# Altium PCB Main PCB.PcbDoc (part 2 of 3)
Units mil, origin at the board's own origin, x right, y up, seen from the top; angles counter-clockwise.
Board outline 3410.47 x 1250.53 mil, 4 copper layers (Top Layer, Ground, Power, Bottom Layer), stack 29.8 mil thick; 179 components, 158 nets, 771 pads, 445 vias.
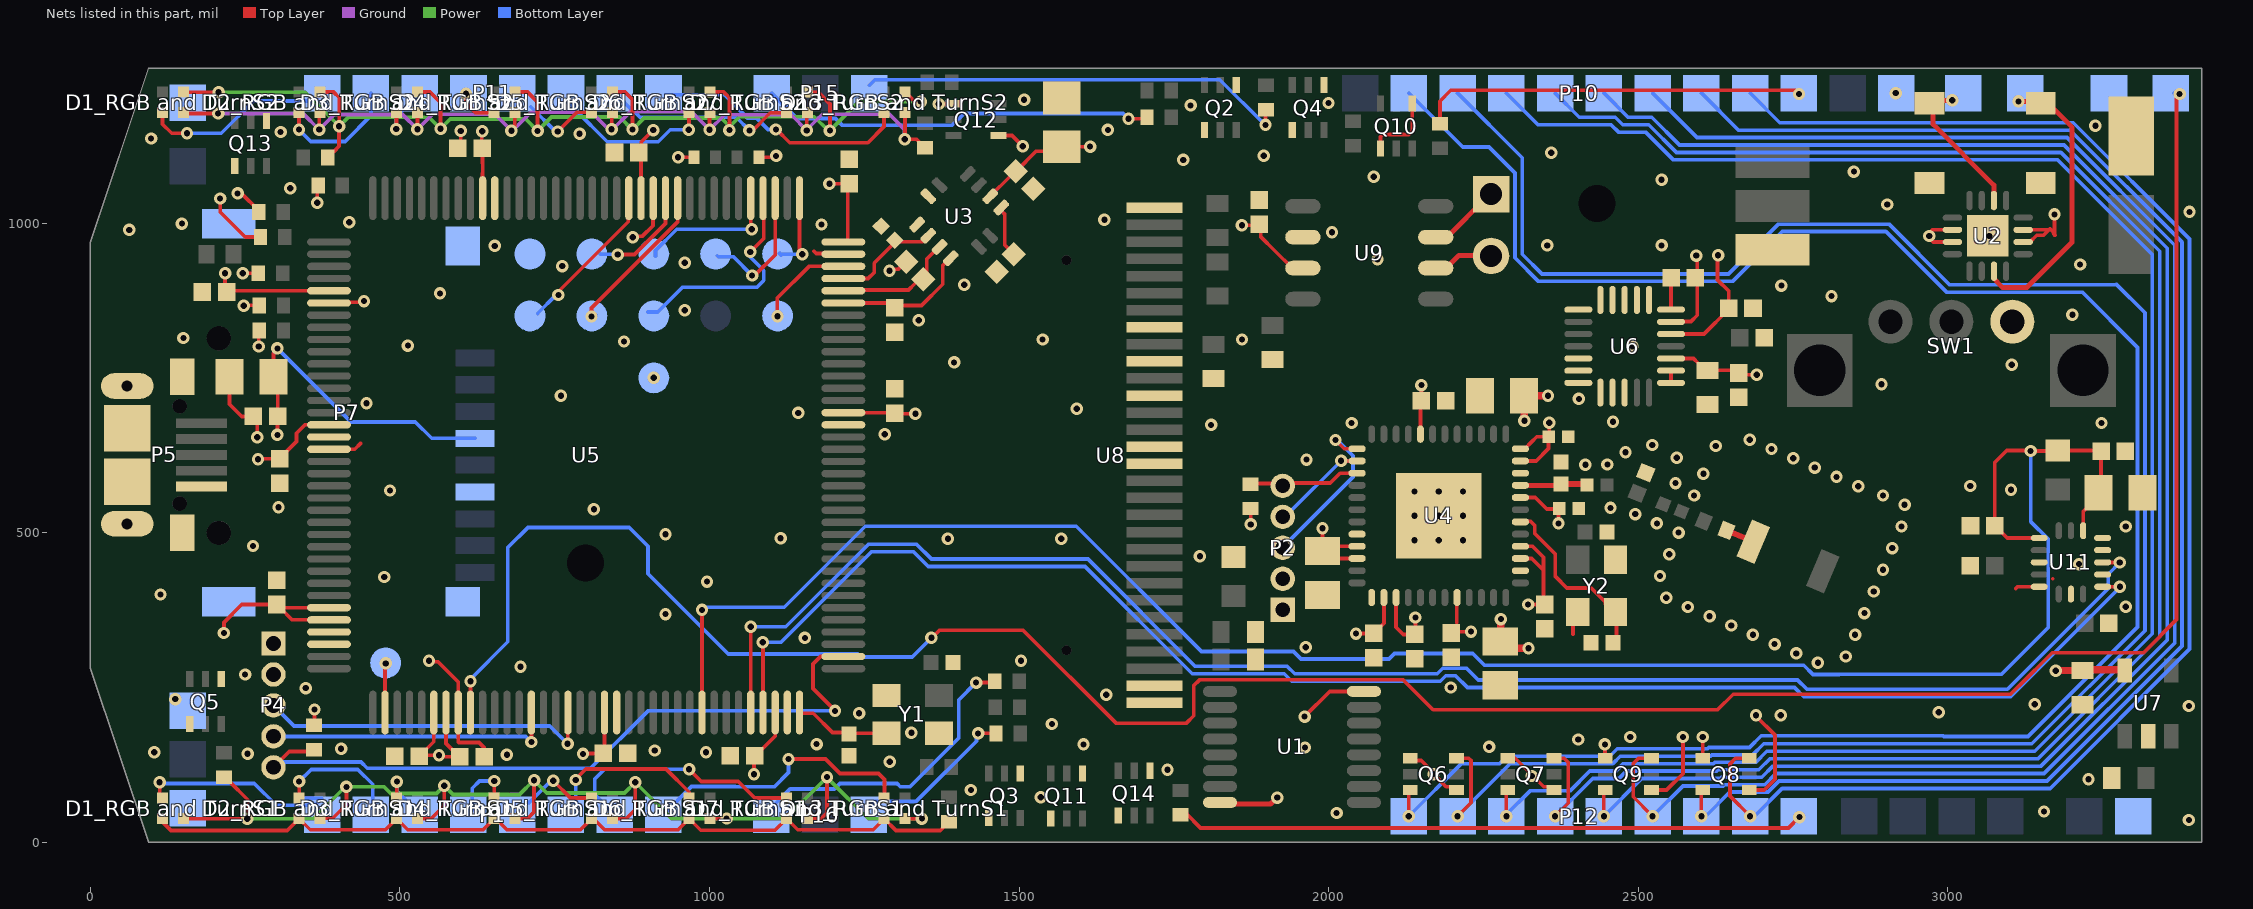
[diagram p4: the nets of this part, all layers, seen from the top]

## Part data
ANT1: "RF ANT 2.4GHZ CHIP SOLDER SMD"
C1: library part CMP-1036-04892-1, "CAP 4.7uF 16V ±20% 0805 (2012 Metric) Thickness 1.55mm SMD", Case-EIA=0805, Case-Metric=2012, Rated Voltage="16 V", Tolerance=±20%, Max Thickness="1.55 mm", Technology=SMT
C2 C6 C13 C14 C15 C16 C17 C20 C21 C22 C23 C24 C25 C26 C27 C28 C30 C32 C33 C34 C35 C36 C42 C47 C48 C50 C51 C52: library part CMP-1034-02062-1, "CAP 100nF 6.3V ±20% 0402 (1005 Metric) Thickness 0.6mm SMD", Case-EIA=0402, Case-Metric=1005, Rated Voltage="6.3 V", Tolerance=±20%, Max Thickness="0.6 mm", Technology=SMT
C3 C4: library part CMP-1034-01767-1, "CAP 3.3nF 6.3V ±20% 0402 (1005 Metric) Thickness 0.6mm SMD", Case-EIA=0402, Case-Metric=1005, Rated Voltage="6.3 V", Tolerance=±20%, Max Thickness="0.6 mm", Technology=SMT
C5: library part CMP-1034-01854-1, "CAP 8.2nF 6.3V ±20% 0402 (1005 Metric) Thickness 0.6mm SMD", Case-EIA=0402, Case-Metric=1005, Rated Voltage="6.3 V", Tolerance=±20%, Max Thickness="0.6 mm", Technology=SMT
C7 C8: library part CMP-1034-00043-1, "CAP 0.8pF 50V ±0.1pF 0402 (1005 Metric) Thickness 0.6mm SMD", Case-EIA=0402, Case-Metric=1005, Rated Voltage="50 V", Tolerance=±0.1pF, Max Thickness="0.6 mm", Technology=SMT
C10: library part CMP-1034-00722-1, "CAP 10pF 50V ±2% 0402 (1005 Metric) Thickness 0.6mm SMD", Case-EIA=0402, Case-Metric=1005, Rated Voltage="50 V", Tolerance=±2%, Max Thickness="0.6 mm", Technology=SMT
C11 C18 C19 C54: library part CMP-1034-01004-1, "CAP 33pF 50V ±5% 0402 (1005 Metric) Thickness 0.6mm SMD", Case-EIA=0402, Case-Metric=1005, Rated Voltage="50 V", Tolerance=±5%, Max Thickness="0.6 mm", Technology=SMT
C12 C49 C53 C55: library part CMP-1036-04924-1, "CAP 10uF 10V ±20% 0805 (2012 Metric) Thickness 1.45mm SMD", Case-EIA=0805, Case-Metric=2012, Rated Voltage="10 V", Tolerance=±20%, Max Thickness="1.45 mm", Technology=SMT
C29 C37 C38: library part CMP-1035-02738-1, "CAP 1uF 16V ±20% 0603 (1608 Metric) Thickness 1mm SMD", Case-EIA=0603, Case-Metric=1608, Rated Voltage="16 V", Tolerance=±20%, Max Thickness="1 mm", Technology=SMT
C31: library part CMP-1036-04925-1, "CAP 10uF 10V ±20% 0805 (2012 Metric) Thickness 1mm SMD", Case-EIA=0805, Case-Metric=2012, Rated Voltage="10 V", Tolerance=±20%, Max Thickness="1 mm", Technology=SMT
C39 C40 C44 C45: library part CMP-1035-02731-1, "CAP 1uF 6.3V ±20% 0603 (1608 Metric) Thickness 1mm SMD", Case-EIA=0603, Case-Metric=1608, Rated Voltage="6.3 V", Tolerance=±20%, Max Thickness="1 mm", Technology=SMT
C41 C43: library part CMP-1035-02764-1, "CAP 2.2uF 16V ±20% 0603 (1608 Metric) Thickness 0.55mm SMD", Case-EIA=0603, Case-Metric=1608, Rated Voltage="16 V", Tolerance=±20%, Max Thickness="0.55 mm", Technology=SMT
C46: "100uF Electrolytic"
C56 C57: library part CMP-1034-00769-1, "CAP 12pF 50V ±5% 0402 (1005 Metric) Thickness 0.33mm SMD", Case-EIA=0402, Case-Metric=1005, Rated Voltage="50 V", Tolerance=±5%, Max Thickness="0.33 mm", Technology=SMT
D8: library part CMP-2000-07084-1, "SCHOTTKY 60V SOD-123FL", Forward Current If(AV)=1A, Forward Surge Current Ifsm Max=30A, Forward Voltage VF Max=1.1V, Manufacturer="Micro Commercial Components", Package Description="2-Pin Small Outline Diode, Flat Lead, Body 2.825 x 1.65 mm", Package Reference=SOD-123FL, Repetitive Reverse Voltage Vrrm Max=1kV, Datasheet URL=http://www.mccsemi.com/up_pdf/SM4001PL-SM4007PL(SOD-123FL).PDF, Datasheet Version="Rev. H, 05/2015", Diode Configuration=Single, Diode Type=StandardRecovery, Manufacturer URL=http://www.mccsemi.com/, Mounting Technology=SurfaceMount
D9: library part CMP-2000-07084-1, "SCHOTTKY 60V SOD-123FL Reel", Forward Current If(AV)=1A, Forward Surge Current Ifsm Max=30A, Forward Voltage VF Max=1.1V, Manufacturer="Micro Commercial Components", Package Description="2-Pin Small Outline Diode, Flat Lead, Body 2.825 x 1.65 mm", Package Reference=SOD-123FL, Repetitive Reverse Voltage Vrrm Max=1kV, Datasheet URL=http://www.mccsemi.com/up_pdf/SM4001PL-SM4007PL(SOD-123FL).PDF, Datasheet Version="Rev. H, 05/2015", Diode Configuration=Single, Diode Type=StandardRecovery, Manufacturer URL=http://www.mccsemi.com/, Mounting Technology=SurfaceMount
L1: library part CMP-2000-06592-1, "Chip Inductor, 4.7 nH, +/- 0.1 nH, 160 mA, -40 to 85 degC, 0402 (1005 Metric), RoHS, Tape and Reel", Inductance=4.7nH, Manufacturer=Murata, Maximum DC Current=160mA, Maximum DC Resistance=600mOhm, Package/Case=0402, Package Description="2-Pin Surface Mount Device, Body 1 x 0.5 mm", Tolerance=0.1nH, Datasheet URL=http://search.murata.co.jp/Ceramy/image/img/PDF/ENG/L0075S0084LQP15M.pdf, Datasheet Version=09/2010, Manufacturer URL=http://www.murata.com/, Minimum Quality Factor=13@500MHz, Mounting Technology=SurfaceMount, Package Reference=0402, Packaging=Tape&Reel, Product Depth=0.6mm, Product Height=0.45mm, Rad Hard=No, Type=RFChip
P2 P4: "Header, 5-Pin", LatestRevisionDate=17-Jul-2002, LatestRevisionNote="Re-released for DXP Platform.", Publisher="Altium Limited"
P3: "Header, 2-Pin", LatestRevisionDate=17-Jul-2002, LatestRevisionNote="Re-released for DXP Platform.", Publisher="Altium Limited"
P5: library part "SXYZ MicroUSB", "Micro USB Connector"
P6 P8 P9 P13 P14 P17 P18 P19 P20 P21 P22 P23 P24 P25 P26 P27 P28 P29 P30 P31 P32 P33: library part "1p SMD"
P7: "MicroSD Card Slot"
P15 P16: library part "3p SMD"
Q2 Q3 Q4 Q5 Q10 Q11 Q12 Q13 Q14: library part CMP-0630-00303-1, "Dual NPN Bias Resistor Transistors, R1=2.2 kOhm, R2=47 kOhm, NPN Transistors, 6-Pin SOT-363, Pb-Free, Tape and Reel", Manufacturer="On Semiconductor", ComponentLink1Description="Manufacturer URL", ComponentLink1URL=http://www.onsemi.com/, ComponentLink2Description=Datasheet, ComponentLink2URL=http://www.onsemi.cn/pub_link/Collateral/DTC123JD-D.PDF, ComponentLink3Description="Package Specification", ComponentLink3URL=http://www.onsemi.cn/pub_link/Collateral/419B-02.PDF, DatasheetVersion="Rev. 0", hFE Min=80, IC Continuous (A)=0.1, Mounting Technology="Surface Mount", PackageDescription="6-Pin Small Outline Transistor, Body 2 x 1.25 mm, Pitch 0.65 mm", PackageReference=SOT-363-6-419B-02, PackageVersion="Rev. Y, 12/2012", Packing="Tape and Reel", PartId=1, PartNumber=MUN5235DW1T1G, Polarity="Dual NPN", R1/R2 Typ=0.047, RoHS=TRUE, V(BR)CEO Min (V)=50
Q6 Q7 Q8 Q9: library part CMP-2000-05971-1, "Dual P-Channel Enhancement Mode MOSFET, 50 VDS, -55 to 150 degC, 6-Pin SOT363, RoHS, Tape and Reel", Id - Continuous Drain Current=-130mA, Manufacturer=DiodesIncorporated, Maximum Operating Temperature=+150C, Minimum Operating Temperature=-55C, Package / Case=SOT-363-6, Package Description="6-Pin Small Outline Transistor, Body 1.25 x 2 mm, Pitch 0.65 mm", Package Reference=SOT363-6, Pd - Power Dissipation=300mW, Rds On - Drain-Source Resistance=6Ohms, Vds - Drain-Source Breakdown Voltage=-50V, Vgs - Gate-Source Voltage=20V, Brand=DiodesIncorporated, Channel Mode=Enhancement, Configuration=Dual, Datasheet URL=http://www.diodes.com/_files/datasheets/ds30204.pdf, Datasheet Version="Rev. 18-2, 01/2014", Factory Pack Quantity=3000, Forward Transconductance - Min=0.05S, Height=1mm, Length=2.2mm, Manufacturer URL=http://www.diodes.com/, Mounting Style=SMD/SMT, Mounting Technology=SurfaceMount, Number of Channels=2Channel, Packaging=Reel, PartId=1, Product=MOSFETSmallSignal, Product Category=MOSFET, RoHS=True, Series=BSS84, Technology=Si, Transistor Polarity=P-Channel, Transistor Type=2P-Channel, Type=EnhancementModeFieldEffectTransistor, Typical Turn-Off Delay Time=18ns, Typical Turn-On Delay Time=10ns, Unit Weight=0.000212oz, Width=1.35mm
R1 R2 R7 R8 R9 R10 R11 R12: library part CMP-1011-00098-1, "10K 0.063W 5% 0402 (1005 Metric)  SMD", Case-EIA=0402, Case-Metric=1005, Power="0.063 W", Tolerance="5 %", Technology=SMT
R3: library part CMP-1012-00122-1, "100K 0.1W 5% 0603 (1608 Metric)  SMD", Case-EIA=0603, Case-Metric=1608, Power="0.1 W", Tolerance="5 %", Technology=SMT
R4: library part CMP-1011-00001-1, "Jumper 0402 (1005 Metric)", Case-EIA=0402, Case-Metric=1005, Power=None, Technology=SMT, Tolerance=None
R13: library part CMP-1011-00034-1, "22R 0.063W 5% 0402 (1005 Metric)  SMD", Case-EIA=0402, Case-Metric=1005, Power="0.063 W", Tolerance="5 %", Technology=SMT
R14: library part CMP-1012-00136-1, "390K 0.1W 5% 0603 (1608 Metric)  SMD", Case-EIA=0603, Case-Metric=1608, Power="0.1 W", Tolerance="5 %", Technology=SMT
R16 R20 R21 R23 R24 R27 R28 R30 R31 R33: library part CMP-1011-00299-1, "14R 0.063W 1% 0402 (1005 Metric)  SMD", Case-EIA=0402, Case-Metric=1005, Power="0.063 W", Tolerance="1 %", Technology=SMT
R17 R19: library part CMP-1011-00090-1, "4K7 0.063W 5% 0402 (1005 Metric)  SMD", Case-EIA=0402, Case-Metric=1005, Power="0.063 W", Tolerance="5 %", Technology=SMT
R18 R22 R25 R29 R32: library part CMP-1011-00426-1, "187R 0.063W 1% 0402 (1005 Metric)  SMD", Case-EIA=0402, Case-Metric=1005, Power="0.063 W", Tolerance="1 %", Technology=SMT
TP1 TP2 TP3 TP4 TP5 TP6 TP7 TP8 TP9 TP10 TP11 TP12: library part TP
U1: "IC SHIFT REGISTER 8BIT 16TSSOP"
U2: "0.4 A Dual H-Bridge Motor Driver"
U3: "Xtrinsic FXLN83xxQ 3-Axis Low-Power Analog-Output Accelerometer"
U4: library part MKW36Z512, "KINETIS W 32-BIT MCU ARM CORTEX- Bluetooth"
U5: library part CMP-0182-00046-1, "Cortex-M4-based Microcontroller with FPU, 1 MB, 120 MHz, 1.71 to 3.6 V, -40 to 105 degC, 144-Pin QFP (918-03), RoHS, Tray", Manufacturer="Freescale Semiconductor", Temperature Range="-40 to 105 degC", ComponentLink1Description="Manufacturer URL", ComponentLink1URL=http://www.freescale.com/, ComponentLink2Description=Datasheet, ComponentLink2URL=http://cache.freescale.com/files/microcontrollers/doc/data_sheet/K64P144M120SF5.pdf?pspll=1, ComponentLink3Description="Package Specification", ComponentLink3URL=http://cache.freescale.com/files/shared/doc/package_info/98ASS23177W.pdf, DatasheetVersion="Rev. 3", Flash="1 MB", Mounting Technology="Surface Mount", PackageDescription="144-Pin Plastic Quad Flat Package, Body 20 x 20 mm, Pitch 0.5 mm", PackageVersion="Rev. G", Packing=Tray, PartId=1, PartNumber=MK64FN1M0VLQ12, RoHS=TRUE, SRAM="256 KB", VBAT="1.71 to 3.6 V", VDD="1.71 to 3.6 V", VDDA="1.71 to 3.6 V"
U6: "3-Axis Digital Angular Rate / Gyroscope"
U7: "Linear Voltage Regulator IC 1 Output 600mA SOT-25"
U8: "0.96\" Blue/Yellow OLED 128x64 SSD1306"
U9: "CAN-FD XVR 5v"
U11: "6-axis sensor with integrated linear accelerometer and magnetometer"
Y1 Y2: library part 403C11E16M00000, "CRYSTAL 12.0000MHZ 20PF SMD 3.20x2.50", LatestRevisionDate=17-Jul-2002, LatestRevisionNote="Re-released for DXP Platform.", PackageDescription="Crystal, Thru-Hole; 2 Leads; Body 3.1 x 8.2 mm (Dia.xH)", PackageReference=R38, Published=8-Jun-2000, Publisher="Altium Limited"
? ? ?: library part "Fiducial - Cross"

## Free pads (board coordinates)
  round 0 hole 60 slot 210 at 90 deg: 8(2433.4,1031.78)
  rect 59.06x59.06 smd far side: 9(3260,1209.8)
  round 0 hole 60 slot 120 at 0 deg: 10(800,450.9)

## Via types
v1: diameter 20, hole 10, Top Layer to Bottom Layer, tented both sides, 442 vias
v2: diameter 20, hole 10, Top Layer to Bottom Layer, 3 vias

## Nets (pads, with @x,y where several pads share a name; then routed paths per layer and width w, separated by ;. In a path a pad name is that pad's centre, name@x,y a point inside that pad or via, vN(x,y) a via of type N, cw(c..) or ccw(c..) an arc to the next point about the centre after c; other vN are vias at no path point)
3v3: C1.2 C2.2 C12.1 C13.2 C14.2 C15.2 C16.2 C17.2 C20.2 C21.2 C22.2 C23.2 C24.2 C25.2 C26.2 C27.2 C28.2 C29.2 C30.2 C31.2 C32.2 C34.2 C35.2 C36.2 C42.2 C45.2 C47.2 C53.1 C55.1 C56.2 C57.2 P2.1 P4.1 P7.4 P27.1 P33.1 Q6.1 Q6.4 Q7.1 Q7.4 Q8.1 Q8.4 Q9.1 Q9.4 R1.2 R2.2 R7.2 R8.2 R9.2 R10.2 R11.2 R12.2 R17.2 R19.2 TP9.1 U1.16 U3.2 U4.9 U4.10 U4.14 U4.15 U4.20 U4.27 U4.28 U4.32 U4.35 U4.36 U4.44 U5.5 U5.16 U5.31 U5.32 U5.42 U5.43 U5.56 U5.70 U5.94 U5.108 U5.122 U5.135 U6.15 U6.17 U6.18 U7.5 U9.3 | length 5044
  Top Layer w6: v1(209.67,1039.59) 209.86,1039.4 209.86,1017.72 250.17,977.41 R11.2@274.96,977.41 ; v1(215.82,337.86) 215.82,355.02 244.77,383.97 C21.2@301.47,383.97 C21.2@306.64,378.8 ; v1(217.68,918.89) 217.68,893.81 C22.2@221.45,890.04 ; C22.2@220.06,888.64 C22.2@221.45,890.04 ; C22.2@220.3,888.58 C22.2@220.81,888.07 ; v1(237.91,1047.79) 244.21,1047.79 272.29,1019.71 R9.2@272.29,1017.74 ; v1(246.1,918.9) 271.1,918.9 R8.2@271.15,918.95 ; v1(247.89,866.45) 248.5,867.05 R10.2@272.68,867.05 ; v1(270.8,618.45) 271.69,619.34 C23.2@300.96,619.34 ; v1(272.1,800.52) 272.1,826.03 271.43,826.7 271.88,827.15 R7.2@272.68,826.34 ; C31.2@295.84,751.5 295.84,789.78 302.25,796.19 v1(302.25,797.54) ; C31.2@298.51,743.45 302.77,739.2 C30.2@302.77,687.64 302.25,687.11 v1(302.25,657.83) ; C23.2@298.99,617.38 C23.2@300.96,619.34 ; R2.2@361.41,188.72 362.1,189.42 v1(362.1,214.43) ; v1(366.57,1032.79) 366.57,1059.23 R12.2@367.87,1060.53 ; U5.32@385.53,359.12 326.33,359.12 C21.2@306.64,378.8 ; U5.31@385.53,378.8 C21.2@306.64,378.8 ; U5.16@385.53,674.08 346.71,674.08 333.09,660.46 333.09,647.25 305.71,619.87 C23.2@305.71,619.34 C23.2@300.96,619.34 ; U5.5@385.53,890.61 222.03,890.61 C22.2@221.45,890.04 ; C24.2@530.91,138.55 C24.2@532.76,140.4 ; U5.42@554.82,209.51 554.82,162.46 C24.2@532.76,140.4 ; v1(563.12,140.4) C24.2@532.76,140.4 ; v1@565.51,135 568.39,137.87 C25.2@595.66,137.87 ; U5.43@574.51,209.51 574.51,159.63 595.66,138.48 C25.2@595.66,137.87 ; C25.2@596.51,138.1 596.28,137.87 C25.2@595.66,137.87 ; C47.2@632.69,1120.73 632.84,1120.58 632.41,1120.58 632.41,1143.5 637.01,1148.1 v1(632.99,1148.1) ; 633.56,1079.95 633.56,1063.2 U5.135@633.94,1062.82 ; 633.59,1079.97 633.59,1096.41 ; 633.56,1096.44 633.56,1111.27 C47.2@634.74,1112.44 ; v1(795.78,142.76) 797.1,142.76 797.74,143.41 C26.2@828.67,143.41 ; C26.2@830.41,143.8 U5.56@830.41,209.51 ; U5.122@889.47,1040.22 C35.2@889.47,1108.06 ; C35.2@890.36,1112.03 889.55,1112.03 889.55,1130.33 v1(909.3,1150.08) ; v1(949.33,1106.35) 951.98,1106.35 952.13,1106.2 R19.2@974.62,1106.2 ; C27.2@1070.76,138.18 C27.2@1073.13,140.55 ; v1(1071.91,109.77) 1071.91,131.7 C27.2@1078.74,138.54 ; C27.2@1073.13,139.78 1074.37,138.54 1074.37,139.65 1105.92,171.19 1106,171.19 U5.70@1106,209.51 ; R17.2@1079.67,1106.2 1105.28,1106.2 v1(1107.52,1108.44) ; v1(1193.6,1063.28) C36.2@1225.9,1063.28 ; U5.94@1216.24,693.76 1294.05,693.76 C34.2@1295.04,692.78 ; U5.108@1216.24,969.35 1220.4,969.35 1223.09,972.04 C36.2@1223.09,1061.65 ; C34.2@1298.98,692.71 1302.44,689.23 1305.3,692.09 v1(1332.43,692.09) ; U3.2@1453.19,1043.1 1486.39,1076.3 C2.2@1492.65,1076.3 ; C2.2@1494.83,1083.42 1527.4,1115.99 1561.56,1115.99 C1.2@1568.69,1123.12 1614.27,1123.12 v1(1614.63,1123.47) ; v1(1859.78,996.37) 1877.57,996.37 C42.2@1880.56,999.36 ; R1.2@1873.67,539.03 1874.15,538.55 v1(1874.15,513.25) ; C42.2@1890.22,992.66 1892.96,992.66 1890.02,989.72 1890.02,978.31 1913.72,954.61 1941.05,927.28 U9.3@1958.22,927.28 ; C55.1@1990,470.43 v1(1990,507) ; C55.1@2005,480 2007.05,477.95 U4.9@2045.76,477.95 ; C55.1@2010,460 2011.74,458.26 U4.10@2045.76,458.26 ; v1(2044,337) 2072.31,337 C13.2@2073,337.69 2073.52,337.16 C13.2@2074.05,337.69 ; C13.2@2075,336 2075,339.69 2089.07,353.76 U4.14@2089.07,395.27 ; U4.15@2108.76,395.27 2108.76,347.19 2120.26,335.69 C15.2@2139,335.69 2139.69,335 2140,335.31 v1(2140,363) ; Q6.1@2131.56,135.57 2135.09,132.04 2149.39,132.04 2169.17,112.25 v1(2169.17,110.04) 2189.56,89.65 2201.1,89.65 Q6.4@2206.37,84.39 ; U4.44@2148.13,659.05 2148.13,715 C16.2@2148.9,715.78 ; C16.2@2149.7,713.15 v1@2149.7,740.7 ; v1(2149.7,738.3) v1@2149.7,740.71 ; C17.2@2197.67,339.83 2229.26,339.83 v1(2229.67,340.24) ; C17.2@2198.26,336.24 C17.2@2198.26,339.83 ; U4.20@2205,391 U4.20@2206.59,389.41 ; 2206.59,354.59 U4.20@2206.59,389.41 ; U4.20@2207.18,388.82 U4.20@2206.59,389.41 ; U4.20@2207.18,395.27 2206.59,394.68 U4.20@2206.59,389.41 ; C12.1@2278,325.53 C12.1@2276.9,324.43 2288.73,312.6 C12.1@2289.53,313.4 ; Q7.1@2289.04,135.57 2301.35,135.57 2328,108.92 v1(2328,107) 2329.92,107 2347.26,89.65 2358.58,89.65 Q7.4@2363.85,84.39 ; U4.27@2309.54,458.26 2327.74,458.26 2346.7,439.3 2346.9,439.3 ; U4.28@2309.54,477.95 2329.05,477.95 2346.9,460.1 2346.9,439.3 ; U4.32@2309.54,556.69 2333.31,556.69 2351.94,538.06 C56.2@2363.17,538.06 ; U4.35@2309.54,615.74 2335.04,615.74 2355,635.7 C57.2@2355,651 ; U4.36@2309.54,635.43 2316.65,635.43 2327.49,646.27 2327.49,646.48 2336.02,655 C57.2@2352,655 ; v1@2315.43,681.57 2315.43,681.37 v1(2316,680.8) ; v1(2321.96,384.02) 2346.21,384.02 2348.8,381.42 C14.2@2348.8,384.02 ; C53.1@2324,722 2326,720 C53.1@2327,721 ; C14.2@2345.9,380.3 C14.2@2345.9,384.02 ; C14.2@2346.9,375.97 2346.9,439.3 ; C14.2@2348.12,381.75 C14.2@2350.32,383.95 ; C57.2@2355.25,655 2356,655.75 v1(2356,677.5) ; v1(2371.12,514.89) 2371.12,534.42 C56.2@2375.58,538.88 ; v1(2446,158) 2446,136.09 Q9.1@2446.52,135.57 ; Q9.4@2521.33,84.39 2545.65,84.39 2572,110.74 v1(2572,170) ; U6.15@2552.73,781.3 2588.9,781.3 C29.2@2596.7,773.5 ; U6.17@2552.73,820.67 2605.84,820.67 C32.2@2645.21,860.04 ; U6.18@2552.73,840.36 2553.46,841.09 2585.14,841.09 2595.03,850.98 2595.03,945.98 v1(2593.58,947.43) ; C29.2@2596.66,773.46 2604.01,766.12 C29.2@2608.14,766.12 ; Q8.1@2604.01,135.57 2603.9,135.67 2604,135.77 v1(2604,170) ; C29.2@2609.56,757.27 C29.2@2609.56,760.56 ; C29.2@2611.97,762.09 C28.2@2661.94,762.09 ; v1(2628.82,948.01) 2627.95,947.15 2627.95,908.15 2645.81,890.29 C32.2@2645.81,862.54 ; C28.2@2661.94,757.85 2664.91,754.88 v1(2691.24,754.88) ; Q8.4@2678.81,84.39 2703.13,84.39 2720.5,101.76 2720.5,173 2690,203.5 v1(2690,205)
  Top Layer w8: U1.16@1824.5,63.17 1825.8,61.87 1906.21,61.87 1908.49,64.15 ; 1907.64,63.1 v1(1916.71,72.17)
  Top Layer w12: C12.1@2278,325.53 v1(2278,360.4) ; C12.1@2289.53,313.4 v1(2322.6,313.4) ; v1@2315.43,681.57 C53.1@2315.43,721 ; C53.1@2327,721 v1(2354,721) ; v1(3174,277) 3174.39,277.39 3217.15,277.39 C45.2@3217.33,277.22 ; C45.2@3217.9,278.6 U7.5@3280.66,278.6
  Bottom Layer w6: v1(302.25,797.54) 421.07,678.72 524.85,678.72 551.31,652.26 P7.4@621.13,652.26
  other v1: 137.09,231.18 910,750
  other v2: 2915.77,1209.87
\K64_RST: P4.5 R2.1 U5.74 | length 1171.5
  Top Layer w6: P4.5@295.84,120.94 321.32,146.42 R2.1@359,146.42 ; v1(1202.69,212.18) 1202.69,212.72 1167,248.42 1167,287.73 1179.34,300.06 U5.74@1216.24,300.06
  Bottom Layer w6: P4.5@295.84,120.94 302.65,120.94 311.39,129.67 437.07,129.67 447.26,119.48 572.74,119.48 ; 572.76,119.49 808,119.49 900.69,212.18 v1(1202.69,212.18)
\KW35_RST: P2.5 R1.1 U4.3 | length 177.8
  Top Layer w6: R1.1@1875.39,578.18 1876.47,579.26 P2.5@1932.74,579.26 ; P2.5@1932.34,580.16 1932.74,580.16 2002.46,580.16 2018.36,596.06 U4.3@2045.76,596.06
Accel_3v3: C48.2 C49.1 C50.2 R3.2 U5.64 U11.1 U11.14 | length 3333
  Top Layer w6: U5.64@987.89,209.51 v1(987.89,375.24) ; U11.1@3147.38,491.34 3095.89,491.34 C48.2@3075.77,511.46 3075.77,613.6 3094.74,632.58 3132.74,632.58 v1(3133.49,631.83) 3176.78,631.83 R3.2@3177.53,632.58 3245.84,632.58 C50.2@3247.25,631.17 3247.25,568.68 C49.1@3243.14,564.57 3243.14,558.66 3218.25,533.77 U11.14@3218.25,503.15
  Bottom Layer w6: v1(987.89,375.24) 992,379.35 1120.8,379.35 1251.61,510.16 1592.4,510.16 1794.53,308.03 1943.09,308.03 1955.13,296 2097.19,296 2106.19,305 2232.52,305 2251.52,286 2767.13,286 2782.13,271 2824.03,271 2824.53,271.5 3086.5,271.5 3161.95,346.95 3161.95,489.73 3133.49,518.19 v1(3133.49,631.83)
BAT_MON: P32.1 U5.45 | length 4199.5
  Top Layer w6: U5.45@613.88,209.51 613.88,259.83 v1(613.95,259.9) ; v1(1358.33,330.29) 1359.28,330.29 1371.48,342.49 1506.28,342.49 1656.39,192.39 1770.14,192.39 1782.18,204.43 1782.18,253.1 1791.33,262.25 2120.32,262.25 2168.57,214 2628,214 2653.19,239.19 3101.19,239.19 3114.27,252.27 ; 3116,254 3114.27,252.27 ; v1(3374,1208.34) 3369,1203.33 3369,359.55 3315.6,306.15 3168.37,306.15 3114.5,252.27 3114.27,252.27
  Bottom Layer w6: v1(613.95,259.9) 613.95,263.42 674.3,323.77 674.3,475.97 706.73,508.4 870.4,508.4 900.69,478.11 900.69,433.6 1030.24,304.05 1239.51,304.05 1244.32,299.24 1327.28,299.24 v1(1358.33,330.29) 1358.33,326.4 v1@1359.89,324.84 ; P32.1@3364.65,1209.8 3372.54,1209.8 v1(3374,1208.34)
BLUE1: P15.1 R16.2 | length 640
  Top Layer w6: v1(1676.56,1168.44) 1704.24,1168.44 R16.2@1706.56,1170.76
  Bottom Layer w6: P15.1@1100.27,1209.81 1141.44,1168.64 1203.53,1168.64 1214.04,1158.13 1392.16,1158.13 1411.07,1177.03 1667.97,1177.03 v1(1676.56,1168.44)
BLUE2: P16.1 R23.2 | length 490.7
  Top Layer w6: v1(1430.53,257.84) 1454.02,257.84 1456.36,255.5 R23.2@1460.75,259.9
  Bottom Layer w6: P16.1@1105.52,50.39 1105.52,61.52 1130.17,86.17 1201.66,86.17 1210.57,95.07 1302.71,95.07 1307.98,89.8 1323.72,89.8 1402.71,168.8 1402.71,230.02 v1(1430.53,257.84)
BLUE3: "D1_RGB and TurnS2.4" "D2_RGB and TurnS2.4" "D3_RGB and TurnS2.4" "D4_RGB and TurnS2.4" "D5_RGB and TurnS2.4" "D6_RGB and TurnS2.4" "D7_RGB and TurnS2.4" "D13_RGB and TurnS2.4" R28.2 | length 1590.6
  Top Layer w6: 150.26,1178.14 152.06,1176.34 152.62,1176.89 v1(206.47,1176.89) ; v1(369.63,1150.82) 369.63,1177.04 370.74,1178.14 ; 528.22,1178.14 528.3,1178.06 v1(528.3,1151.32) ; v1(680.11,1148.92) 685.7,1154.51 685.7,1178.14 ; v1(841.96,1151.31) 841.96,1174.13 842.3,1174.47 844.69,1172.08 846.97,1174.35 843.18,1178.14 ; v1(1000.13,1150.6) 1000.13,1177.61 1000.66,1178.14 ; v1(1157.19,1149.64) 1157.19,1177.2 1158.14,1178.14 ; 1315.62,1178.14 1315.62,1154.19 1315.62,1135.46 1334.24,1135.46 R28.2@1348.21,1121.49
  Ground w6: v1(206.47,1176.89) 343.56,1176.89 v1(369.63,1150.82) 369.63,1150.99 394.03,1175.39 504.22,1175.39 v1(528.3,1151.32) 552.58,1175.6 653.43,1175.6 v1(680.11,1148.92) 681.59,1148.92 691.44,1158.78 691.44,1158.88 711.26,1178.7 809.81,1178.7 841.82,1146.68 841.96,1146.83 v1@841.96,1150.25 ; v1(841.96,1151.31) v1@841.96,1150.25 ; v1@1314.72,1134.72 1314.96,1134.96 1314.96,1151.2 1290.6,1175.56 1182.02,1175.56 1157.19,1150.73 v1(1157.19,1149.64) 1131.86,1174.97 1024.51,1174.97 v1(1000.13,1150.6) 970.68,1180.05 872.43,1180.05 842.3,1149.92 v1@841.96,1150.25
  other v1: 1315.23,1135.22
BLUE4: "D1_RGB and TurnS1.4" "D2_RGB and TurnS1.4" "D3_RGB and TurnS1.4" "D4_RGB and TurnS1.4" "D5_RGB and TurnS1.4" "D6_RGB and TurnS1.4" "D7_RGB and TurnS1.4" "D13_RGB and TurnS1.4" R31.2 | length 1378
  Top Layer w6: 116.8,32.63 130.33,19.11 318.23,19.11 337.27,38.14 355.13,20.29 476.89,20.29 494.75,38.14 512.61,20.29 634.38,20.29 652.23,38.14 655.25,38.14 673.11,20.29 791.86,20.29 809.71,38.14 812.73,38.14 830.59,20.29 949.34,20.29 967.19,38.14 985.96,19.38 1105.91,19.38 1124.67,38.14 1142.53,20.29 1264.3,20.29 1282.15,38.14 1301.16,19.14 1372.61,19.14 R31.2@1380.59,27.11
BLUE5: P29.1 R24.2 | length 1007.2
  Top Layer w6: R24.2@1770.14,46.58 1770.14,45.86 1792.86,23.14 2742.45,23.14 v1(2759.98,40.68)
CAN1_N: P3.2 U9.6 | length 92.6
  Top Layer w8: U9.6@2172.79,927.28 2189.83,927.28 2210.12,947.56 2249.04,947.56 2252.05,950.58 P3.2@2255.7,950.58
CAN1_P: P3.1 U9.7 | length 110.3
  Top Layer w8: U9.7@2172.79,977.28 2190.86,977.28 2254.19,1040.61 P3.1@2254.19,1043.24
Col1: "D1_RGB and TurnS1.1" "D1_RGB and TurnS2.1" P1.1 P10.1 P11.1 P12.1 Q6.3 | length 3950.2
  Top Layer w6: v1(112,97) 112,79.07 118.13,72.94 ; 116.8,1178.14 116.8,1159.7 131.6,1144.89 v1(156.28,1144.89) ; v1(2129.36,42.14) 2129.36,82.18 Q6.3@2131.56,84.39
  Bottom Layer w6: v1(112,97) 117.96,97 118.56,97.6 121.09,95.07 264.92,95.07 300.19,59.8 362.34,59.8 373.6,71.07 347.83,71.07 356.02,62.88 P1.1@356.02,60.56 ; v1(156.28,1144.89) 211.36,1144.89 263.6,1197.13 361.85,1197.13 P11.1@374.53,1209.8 ; v1(2129.36,42.14) 2214.22,127 2275.98,127 2287.98,139 2453.87,139 2465.87,151 2611.87,151 2613.87,153 2679.52,153 2698.52,172 2992.57,172 2993.63,170.94 3129.32,170.94 3306.07,347.68 3306.07,799.18 3216.84,888.41 2997.59,888.41 2899.74,986.25 2732.34,986.25 2651.87,905.78 2338.73,905.78 2300.63,943.88 2300.63,1080.88 2258.69,1122.83 2216.33,1122.83 P10.1@2129.33,1209.8
Col2: "D2_RGB and TurnS1.1" "D2_RGB and TurnS2.1" P1.2 P10.2 P11.2 P12.2 Q6.6 | length 3695.9
  Top Layer w6: v1(337.06,1150.82) 336.95,1150.93 336.95,1177.82 337.27,1178.14 ; 337.27,71.61 v1(337.27,98.23) ; Q6.6@2206.37,135.57 2226.26,135.57 2229.77,132.05 2229.77,63.82 v1(2208.1,42.14)
  Bottom Layer w6: v1(337.06,1150.82) 356.06,1131.82 411.62,1131.82 453.27,1173.46 P11.2@453.27,1209.8 ; v1(337.27,98.23) 356.71,117.67 432.1,117.67 456.18,93.59 456.18,56.95 P1.2@452.7,53.47 ; v1(2208.1,42.14) 2292.96,127 2458.84,127 2470.84,139 2616.84,139 2618.84,141 2684.49,141 2702.43,158.94 3135.29,158.94 3318.07,341.71 3318.07,855.18 3272.32,900.92 ; P10.2@2208.07,1209.8 2312.63,1105.27 2312.63,949.68 2344.53,917.78 2645.78,917.78 2726.25,998.25 2904.71,998.25 3002.56,900.41 3271.81,900.41
Col3: "D3_RGB and TurnS1.1" "D3_RGB and TurnS2.1" P1.3 P10.3 P11.3 P12.3 Q7.3 | length 3144.6
  Top Layer w6: v1(494.23,1151.61) 494.49,1151.87 494.49,1177.88 494.75,1178.14 ; 494.75,71.61 494.95,71.81 494.95,97.8 v1(495.15,98) ; v1(2286.84,42.14) 2286.84,82.18 Q7.3@2289.04,84.39
  Bottom Layer w6: v1(494.23,1151.61) 494.23,1172.03 P11.3@532.01,1209.8 ; v1(495.15,98) 495.15,82.27 P1.3@514.97,62.45 ; v1(2286.84,42.14) 2286.84,44.84 2325,83 2389.47,83 2421.47,115 2463.81,115 2475.81,127 2621.81,127 2623.81,129 2689.46,129 2707.4,146.94 3140.26,146.94 3330.07,336.74 3330.07,949.3 3177.36,1102 2556.57,1102 2511.74,1146.83 2467.87,1146.83 2455.87,1158.83 2337.79,1158.83 P10.3@2286.84,1209.78
Col4: "D4_RGB and TurnS1.1" "D4_RGB and TurnS2.1" P1.4 P10.4 P11.4 P12.4 Q7.6 | length 3094.2
  Top Layer w6: v1(606.78,1208.7) 606.78,1193.63 622.27,1178.14 652.23,1178.14 652.23,1176.61 ; 652.24,71.61 v1(652.24,98.94) ; Q7.6@2363.85,135.57 2379.85,135.57 2386.61,128.81 2386.61,63.17 v1(2365.58,42.14)
  Bottom Layer w6: P1.4@616.88,51.39 616.88,87.36 628.46,98.94 v1(652.24,98.94) ; v1(2365.58,42.14) 2426.44,103 2468.78,103 2480.78,115 2626.78,115 2628.78,117 2694.43,117 2712.37,134.94 3145.23,134.94 3342.07,331.77 3342.07,954.27 3182.33,1114 2561.54,1114 2516.71,1158.83 2474.7,1158.83 2462.7,1170.83 2404.53,1170.83 P10.4@2365.58,1209.78
Col5: "D5_RGB and TurnS1.1" "D5_RGB and TurnS2.1" P1.5 P10.5 P11.5 P12.5 Q9.3 | length 2973.8
  Top Layer w6: v1(747.6,99.46) 775.45,71.61 809.71,71.61 ; v1(754.9,1147.78) 786.1,1178.98 808.87,1178.98 809.71,1178.14 ; v1(2444.32,42.14) 2444.32,82.18 Q9.3@2446.52,84.39
  Bottom Layer w6: P1.5@707.03,64.3 709.07,64.3 744.24,99.46 v1(747.6,99.46) ; P11.5@711.4,1187.89 751.51,1147.78 v1(754.9,1147.78) ; v1(2444.32,42.14) 2505.18,103 2631.75,103 2633.75,105 2699.4,105 2717.34,122.94 3150.2,122.94 3354.07,326.8 3354.07,959.24 3187.3,1126 2566.51,1126 2521.68,1170.83 2483.27,1170.83 P10.5@2444.32,1209.78
Col6: "D6_RGB and TurnS1.1" "D6_RGB and TurnS2.1" P1.6 P10.6 P11.6 P12.6 Q9.6 | length 3204.1
  Top Layer w6: v1@781.63,99.73 800.19,118.28 929.72,118.28 967.19,80.81 967.19,71.61 ; v1(966.62,1150.65) 966.91,1150.93 966.91,1177.86 967.19,1178.14 ; Q9.6@2521.33,135.57 2500.2,135.57 2491.87,127.24 2491.87,73.32 v1(2523.06,42.14)
  Bottom Layer w6: P11.6@777.47,1191.03 783.86,1191.03 775.32,1182.49 783.48,1182.49 834.89,1131.08 917.17,1131.08 936.74,1150.65 v1(966.62,1150.65) ; P1.6@779.95,59.85 783.92,63.82 v1(783.92,100.49) ; v1(2523.06,42.14) 2571.92,91 2636.72,91 2638.72,93 2704.37,93 2722.31,110.94 3155.17,110.94 3366.07,321.83 3366.07,964.21 3192.27,1138 2594.83,1138 P10.6@2523.06,1209.78
Col7: "D7_RGB and TurnS1.1" "D7_RGB and TurnS2.1" P1.7 P10.7 P11.7 P12.7 Q8.3 | length 3163.2
  Top Layer w6: v1(967.04,117.91) 986.72,98.23 1046.41,98.23 1073.04,71.61 1124.67,71.61 1124.79,71.72 ; v1(1064.48,1149.57) 1069.8,1149.57 1098.25,1178.02 1124.79,1178.02 1124.67,1178.14 ; v1(2601.8,42.14) 2601.8,82.18 Q8.3@2604.01,84.39
  Bottom Layer w6: P1.7@846.8,44.54 814.9,76.44 814.9,102.44 830.36,117.91 v1(967.04,117.91) ; P11.7@862.12,1196.41 862.12,1194.65 873.49,1183.28 875.26,1183.28 887.78,1170.75 1043.3,1170.75 v1(1064.48,1149.57) ; v1(2601.8,42.14) 2608.75,42.14 2647.61,81 2709.34,81 2727.19,98.84 3160.04,98.84 3378.07,316.86 3378.07,969.18 3197.24,1150 2661.57,1150 P10.7@2601.77,1209.8
Col8: "D13_RGB and TurnS1.1" "D13_RGB and TurnS2.1" P1.8 P10.8 P11.8 P12.8 Q8.6 | length 3291.7
  Top Layer w6: v1(1107.22,1151.11) 1108.1,1151.11 1129.44,1129.77 1255.75,1129.77 1281.94,1155.96 1281.94,1177.92 1282.15,1178.14 ; v1(1127.58,134.32) 1187.41,134.32 1210.6,111.13 1273.09,111.13 1282.72,101.5 1282.72,72.17 1282.15,71.61 ; Q8.6@2678.81,135.57 2656.9,135.57 2647.87,126.54 2647.87,74.8 v1(2680.54,42.14)
  Bottom Layer w6: P1.8@925.54,44.54 971,90 1041.63,90 1041.84,89.79 1104.79,89.79 1127.58,112.58 v1(1127.58,134.32) ; P11.8@929.61,1207.06 1023.97,1207.06 1061.35,1169.67 1075.71,1169.67 1094.27,1151.11 v1(1107.22,1151.11) ; v1(2680.54,42.14) 2687.46,42.14 2732.16,86.84 3165.01,86.84 3390.07,311.89 3390.07,974.15 3202.21,1162 2728.31,1162 P10.8@2680.54,1209.78
DAC0: TP12.1 U5.38 | length 79.8
  Top Layer w6: U5.38@476.08,209.51 476.08,287.81 v2(477.12,288.84)
EXTAL: C54.1 U4.30 Y2.1 | length 259.8
  Top Layer w6: U4.30@2315.47,518.23 2325.92,518.23 2332.52,511.63 2332.52,498.48 2366,465 2366,429 2384.47,410.53 2423.87,410.53 2446.8,387.61 Y2.1@2446.8,384.21 ; C54.1@2464.78,325.2 Y2.1@2464.78,367.36
EXTAL0: C18.1 U5.72 Y1.3 | length 156.1
  Top Layer w6: U5.72@1146.17,207.3 1147.27,208.4 1167.67,208.4 1198.67,177.4 C18.1@1222.8,177.4 ; C18.1@1222.28,177.91 C18.1@1222.8,177.4 ; C18.1@1224.67,177.4 C18.1@1222.8,177.4 ; Y1.3@1285.82,176.11 1224.09,176.11 C18.1@1222.8,177.4
GND: C1.1 C2.1 C3.1 C4.1 C5.1 C6.1 C7.1 C8.1 C11.2 C12.2 C13.1 C14.1 C15.1 C16.1 C17.1 C18.2 C19.2 C20.1 C21.1 C22.1 C23.1 C24.1 C25.1 C26.1 C27.1 C28.1 C29.1 C30.1 C31.1 C32.1 C33.1 C34.1 C35.1 C36.1 C39.1 C40.1 C41.1 C42.1 C43.1 C44.1 C45.1 C46.2 C47.1 C48.1 C49.2 C50.1 C51.1 C52.1 C53.2 C54.2 C55.2 C56.1 C57.1 D8.1 D9.1 P2.2 P4.2 P5.5 P7.6 P7.10 P7.11 P7.12 P7.13 P22.1 P23.1 P24.1 P31.1 pad.9 Q2.1 Q2.4 Q3.1 Q3.4 Q4.1 Q4.4 Q5.1 Q5.4 Q10.1 Q10.4 Q11.1 Q11.4 Q12.1 Q12.4 Q13.1 Q13.4 Q14.1 Q14.4 R14.1 SW1.3 TP10.1 U1.8 U2.6 U2.7 U2.14 U2.15 U2.17 U3.6 U3.7 U4.8 U4.13 U4.26 U4.34 U4.49 U5.6 U5.17 U5.18 U5.33 U5.34 U5.44 U5.57 U5.71 U5.93 U5.107 U5.121 U5.134 U6.1 U6.5 U6.6 U6.7 U6.8 U6.9 U6.10 U6.13 U6.14 U6.19 U6.20 U6.21 U6.22 U6.23 U6.24 U7.2 U8.1 U8.8 U8.10 U8.12 U8.15 U8.16 U8.29 U8.30 U9.2 U11.3 U11.5 U11.7 U11.10 U11.12 U11.13 Y1.2 Y1.4 Y2.2 Y2.4 | length 1356
  Top Layer w6: C31.1@224.97,751.5 224.97,707.18 244.52,687.64 C30.1@263.4,687.64 269.56,681.48 v1(269.56,654.19) ; U5.18@385.53,634.71 426.94,634.71 436.31,644.08 436.89,644.08 ; U5.6@385.53,870.93 386.64,872.04 437.04,872.04 v1@440,875 ; v1@548.58,293.28 550.4,291.45 561.57,291.45 594.19,258.83 U5.44@594.19,209.51 594.19,162 594.92,161.27 627.72,161.27 635.87,153.13 635.87,142.48 C25.1@637.15,141.2 ; C47.1@593.32,1120.73 598.37,1125.78 v1(598.37,1148.86) ; v1@877.36,975.64 880.56,978.84 891.67,978.84 908.61,995.79 908.61,1039.68 U5.121@909.15,1040.22 ; U5.121@906.91,1053.64 U5.121@910.27,1056.99 ; 1168.91,954.59 1172.72,950.78 1215.13,950.78 U5.107@1216.24,949.67 ; v1(1290.66,922.89) 1293.34,925.57 1305.11,925.57 1316.88,937.34 C3.1@1317.43,937.34 ; v1@1367.22,1192.62 1367.53,1192.31 1393.85,1192.31 Q12.1@1394.19,1192.64 ; Q12.4@1466.63,1141.46 1488.62,1141.46 1505.48,1124.6 v1@1506.39,1124.6 ; v1(1961,203) 2001.57,243.57 U1.8@2056.78,243.57 ; Q10.1@2083.55,1120.34 2083.55,1139.36 2087.06,1142.88 2129.05,1142.88 2134.73,1148.55 Q10.4@2134.73,1192.78 ; 2394.5,336.1 2394.5,363.89 Y2.4@2402.19,371.58 ; C20.1@2550.25,911.13 2552.73,908.65 U6.19@2552.73,860.04 ; U6.14@2552.73,761.61 2552.73,742.84 U6.13@2555.99,739.57 ; v1@2963.74,979.04 v1@2966.62,979.04 ; U2.15@3007.28,969.33 2976.33,969.33 v1@2966.62,979.04 ; U2.14@3007.28,989.02 2974.85,989.02 2965.75,979.91 v1@2966.62,979.04 ; 3109.38,409.91 3112.07,412.6 U11.5@3147.38,412.6 U11.5@3156.24,412.6 ; U2.6@3121.45,969.33 3132.28,969.33 3143.25,980.31 3154.45,980.31 3163.16,989.02 ; U2.7@3121.45,989.02 3163.16,989.02 ; 3164.69,990.55 3163.16,989.02 ; 3171.17,982.13 3171.09,982.13 3172,983.05 ; v1(3172,1014) 3172,983.24 ; 3172.81,980.07 3172,980.88 3172,983.05 ; 3163.16,989.02 3166.22,989.02 3172,983.24 ; 3172,983.05 3172.1,983.14 3172,983.24 ; 3172,983.05 3172,983.24
  other v1: 3389,36 2012.72,47.25 3155,49.67 1534.79,72.74 1422.11,84.39 3227,101.76 1739.66,117.1 1291,130 672.77,141.37 254,143 103.41,145.29 994.31,145.36 911.46,148.1 405,151 1961.6,153.04 2259,154 1604,158 1172.9,158.52 2403,166 2487,170 1326,177 1553,191 2730,205 1241.52,208.24 2985,210 3389,220 3140.2,222.8 1640.63,238.08 348,249 2197,250 250,271 694.7,283.4 2790,290 547.01,293.11 1503,293 2835,300 2755,305 1963,315 2720,320 1154,330 2685,335 2850,335 2650,350 2615,365 928.9,368.5 2865,370 2580,380 3287.07,380.21 2545,395 113.33,400.11 2880,405 996,421 474.59,428.42 2535,430 2895,440 3211.65,449.13 1792,462 2550,465 2910,475 262.75,478.44 2138.28,487.79 2177.65,487.79 2217.02,487.79 1385,490 1568,490 1114.79,491.01 929,497.5 2565,500 2925,510 3287,510 2530,515 2138.28,527.16 2177.65,527.16 2217.02,527.16 2495,530 813.33,537.93 2455,540 304,541 2930,545 2590,560 2895,560 2138.28,566.53 2177.65,566.53 2217.02,566.53 484,568 3101.85,569.26 2855,575 3035.99,575.29 2560,580 2820,590 2605,595 2785,605 2414.4,609.7 2450,610 1964,618 2750,620 2562,621 2479.3,629.9 2715,635 2625,640 2522.5,641.5 2680,650 1283,659 1810,674 2037,677 3248,677 2459,679 1143.41,693.39 1593,700 446,709 2404,716 760,721 2892.59,739.5 3103,771 1395,775 2490.16,800.97 513,802 861.87,808.69 1538,812 1860,812 150.32,814.27 1338,843 3201,852 960,859 441.98,873.97 2812,882 564.68,886.39 2731,899 1411.5,900.23 762.25,930.41 3213.4,933.1 960,936 2078.66,941.39 653.11,963.13 2352.92,963.9 2537.61,963.9 876.13,977.12 2969.71,979.04 3066.67,978.91 2005.19,985.16 62.9,988.9 1180.95,997.69 148,999 418.35,1001.29 1637.75,1005.27 3390,1018.02 2902,1030 322.88,1056.27 2537.61,1069.91 2072.59,1074.71 2848,1083 1765,1102 1895.07,1108.55 2359.27,1113.44 1505.86,1123.87 98.23,1136.45 790.19,1144.1 307.38,1147.01 1643.31,1150.48 3238,1157 1777,1190 1370.24,1192.15 1508,1199
  other v2: 1999.62,1193.91
GPIO0: TP5.1 U5.106 | length 157.3
  Top Layer w6: v1(1109.76,849.52) 1109.76,849.9 1109.57,850.09 1109.57,878.97 1160.59,929.98 U5.106@1216.24,929.98
GPIO1: TP11.1 U5.109 | length 132.8
  Top Layer w6: U5.109@1145.38,1040.22 1145.32,1040.17 1145.32,954.19 v1(1149.91,949.61)
  Bottom Layer w6: TP11.1@1114.13,950.79 1112.8,950.79 1115.63,947.97 1117.26,949.61 v1(1149.91,949.61)
GPIO2: TP4.1 U5.113 | length 229.3
  Top Layer w6: U5.113@1066.63,1040.22 1066.63,991.58 v1(1068.23,989.99)
  Bottom Layer w6: TP4.1@912.82,946.88 912.82,955.6 947.21,989.99 v1(1068.23,989.99)
GPIO3: TP6.1 U5.119 | length 256.8
  Top Layer w6: v1(809.38,849.03) 809.38,862.62 948.52,1001.76 U5.119@948.52,1040.22
  Bottom Layer w6: v1(809.38,849.03) 813.54,849.03 815.83,851.32 TP6.1@815.83,850.73
GPIO4: TP7.1 U5.120 | length 170.7
  Top Layer w6: v1(851.86,949.06) 878.86,949.06 928.84,999.05 U5.120@928.84,1040.22
  Bottom Layer w6: TP7.1@821.39,952.27 824.13,949.53 851.39,949.53 v1(851.86,949.06)
GPIO5: TP8.1 U5.123 | length 249.7
  Top Layer w6: v1(755.89,883.74) 755.89,889.13 868.67,1001.91 868.67,1039.11 U5.123@869.78,1040.22
  Bottom Layer w6: TP8.1@722.72,853.61 722.72,854.35 752.11,883.74 v1(755.89,883.74)
GREEN1: P15.3 R20.2 | length 705
  Top Layer w6: v1(1897.87,1158.53) R20.2@1897.87,1188.17
  Bottom Layer w6: P15.3@1258.29,1222.53 1267.26,1231.5 1824.07,1231.5 1896.62,1158.95 v1@1899.92,1158.95
GREEN2: P16.3 R27.2 | length 262.4
  Top Layer w6: v1(1433.71,175.87) R27.2@1462.59,175.87
  Bottom Layer w6: P16.3@1255.48,53.46 1267.82,65.8 1333.66,65.8 1431.04,163.18 1431.04,172.12 v1@1433.57,174.65
GREEN3: "D1_RGB and TurnS2.3" "D2_RGB and TurnS2.3" "D3_RGB and TurnS2.3" "D4_RGB and TurnS2.3" "D5_RGB and TurnS2.3" "D6_RGB and TurnS2.3" "D7_RGB and TurnS2.3" "D13_RGB and TurnS2.3" R30.2 | length 1934
  Top Layer w6: 150.26,1211.61 150.66,1212 151.55,1211.11 v1(207.17,1211.11) ; 370.74,1211.61 392.7,1211.61 401.9,1202.4 v1(401.9,1156.39) ; R30.2@383.61,1105.8 383.61,1107.77 391.44,1115.6 393.4,1115.6 401.72,1123.92 v1@401.72,1154.29 ; 528.22,1211.61 548.5,1211.61 565.74,1194.37 v1(565.74,1152.22) ; 685.7,1211.61 705.99,1211.61 722.36,1195.23 v1(722.36,1148.74) ; 843.18,1211.61 863.47,1211.61 875.61,1199.46 v1(875.61,1151.15) ; 1000.66,1211.61 1022.62,1211.61 1032.52,1201.7 1032.13,1201.31 v1(1032.13,1150.08) ; 1158.14,1211.61 1159.02,1210.72 1176,1210.72 1194.47,1192.24 v1(1194.47,1149.28) ; 1315.62,1211.61 1331.13,1196.1 v1(1341.19,1196.1)
  Power w6: v1(207.17,1211.11) 347.19,1211.11 v1(401.9,1156.39) 416.12,1170.61 547.35,1170.61 v1(565.74,1152.22) 581.44,1167.92 703.18,1167.92 v1(722.36,1148.74) 744.89,1171.28 854.95,1171.28 875.8,1150.43 v1@875.8,1151.15 ; v1(875.61,1151.15) v1@875.8,1151.15 ; v1@877.17,1151.52 v1@878,1152.36 ; v1(1032.13,1150.08) v1@1032.13,1155.58 ; v1(1341.19,1196.1) 1241.29,1196.1 v1(1194.47,1149.28) 1191.64,1149.28 1169.12,1171.79 1048.35,1171.79 v1@1032.13,1155.58 ; v1@875.8,1151.15 879.21,1151.15 v1@878,1152.36 ; v1@875.8,1151.15 875.8,1154.56 v1@877.5,1152.86 ; v1@877.5,1152.86 v1@878,1152.36 ; v1@877.5,1152.86 894.28,1169.65 1018.85,1169.65 1032.13,1156.36 v1@1032.13,1155.58
GREEN4: "D1_RGB and TurnS1.3" "D2_RGB and TurnS1.3" "D3_RGB and TurnS1.3" "D4_RGB and TurnS1.3" "D5_RGB and TurnS1.3" "D6_RGB and TurnS1.3" "D7_RGB and TurnS1.3" "D13_RGB and TurnS1.3" R33.2 | length 1909.8
  Top Layer w6: 150.26,38.14 249.61,38.14 v1@250.1,38.64 ; R33.2@213.22,98.23 224.8,98.23 254.39,68.64 v1@254.39,38.64 ; 367.81,38.79 391.65,38.79 413.62,60.76 v1(413.62,89.49) ; 528.22,38.14 550.18,38.14 571.76,59.73 v1(571.76,91.22) ; 685.7,38.14 705.99,38.14 716.73,48.88 v1(716.73,100) ; 843.18,38.14 865.14,38.14 880.08,53.09 v1(880.08,97.06) ; 1000.66,38.14 1027.4,38.14 v1(1027.63,38.38) ; 1158.14,38.14 1180.1,38.14 1189.69,47.74 v1(1189.69,105.17) ; 1315.62,38.14 v1@1342.92,38.14
  Power w6: v1(253.59,38.1) 360.4,38.1 411.78,89.49 v1(413.62,89.49) 474.53,89.49 485.41,78.6 559.15,78.6 v1(571.76,91.22) 585.7,77.28 693.3,77.28 716.03,100 v1(716.73,100) 737.11,79.62 862.64,79.62 v1(880.08,97.06) 938.76,38.38 v1(1027.63,38.38) 1122.9,38.38 v1(1189.69,105.17) 1189.69,98.2 1192.95,101.45 1256.26,38.14 v1(1342.93,38.14)
GREEN5: P25.1 R21.2 | length 626
  Top Layer w6: R21.2@2179.62,1160.2 2179.62,1196.79 2197.08,1214.25 2753.47,1214.25 v1(2759.39,1208.34)
INT1: U5.68 U11.11 | length 2635.9
  Top Layer w6: U5.68@1066.63,209.51 1066.48,209.67 1066.48,347.71 v1(1066.65,347.89) ; U11.11@3250.43,452.92 3252.63,450.72 3253.7,451.79 v1(3277.48,451.79)
  Bottom Layer w6: v1(1066.65,347.89) 1123.28,347.89 1256.64,481.25 1334.34,481.25 1358.3,457.29 1611.33,457.29 1784.58,284.03 1933.15,284.03 1945.19,272 2175.16,272 2184.16,281 2222.58,281 2241.58,262 2757.19,262 2772.19,247 3095.94,247 3258.68,409.74 3258.68,432.99 v1(3277.48,451.79)
INT2: U5.69 U11.9 | length 2570.3
  Top Layer w6: v1(1086.13,323.05) 1086.23,322.96 1086.23,209.6 U5.69@1086.32,209.51 ; U11.9@3251.58,413.34 3252.24,412.68 3277.59,412.68 v1(3277.68,412.77)
  Bottom Layer w6: v1(1086.13,323.05) 1115.41,323.05 1261.61,469.25 1329.37,469.25 1353.33,445.29 1606.36,445.29 1779.61,272.03 1928.18,272.03 1940.22,260 2180.13,260 2189.13,269 2204.87,269 2223.87,250 2752.22,250 2767.22,235 2845,235 ; 2845.5,235 3100.91,235 3277.68,411.77 v1(3277.68,412.77)
K64_SWD_CLK: P4.4 U5.50 | length 468.8
  Top Layer w6: U5.50@712.3,209.51 711.86,209.07 712.41,208.53 v1(712.41,161.9)
  Bottom Layer w6: P4.4@295.84,170.94 P4.4@304.17,170.94 ; v1(712.41,161.9) 703.37,170.94 P4.4@304.52,170.94 ; P4.4@304.17,170.94 P4.4@304.52,170.94 ; P4.4@304.17,170.94 304.34,171.11 P4.4@304.52,170.94
K64_SWD_DIO: P4.3 U5.53 | length 552.6
  Top Layer w6: U5.53@771.36,209.51 771.09,209.25 771.09,158.12 v1@771.43,157.79
  Bottom Layer w6: P4.3@295.84,220.94 329.03,187.74 742.06,187.74 v1(770.83,158.98)
KW35_SWD_CLK: P2.4 U4.2 | length 149.6
  Top Layer w6: v1(2020.03,616.2) 2020.48,615.74 U4.2@2045.76,615.74
  Bottom Layer w6: P2.4@1931.14,532.11 1935.94,532.11 v1(2020.03,616.2)
KW35_SWD_DIO: P2.3 U4.1 | length 276.4
  Top Layer w6: v1(2010.9,649.7) 2025.2,635.4 U4.1@2049.2,635.4
  Bottom Layer w6: P2.3@1922.9,471.97 P2.3@1922.9,477.11 ; P2.3@1930.05,480.88 2039.03,589.86 2039.03,624.07 2013.39,649.7 v1(2010.9,649.7)
MISO: TP2.1 U5.111 | length 212.1
  Top Layer w6: v1(1068.76,915.25) 1072.84,915.25 1106,948.41 U5.111@1106,1040.22
  Bottom Layer w6: TP2.1@1012.66,947.17 1014.08,945.75 1038.26,945.75 v1(1068.76,915.25)
MOSI: TP3.1 U5.112 | length 363.1
  Top Layer w6: v1(1065.71,953.35) 1087.43,975.07 1087.43,1039.11 U5.112@1086.32,1040.22
  Bottom Layer w6: TP3.1@900.33,856.34 916.34,856.34 956.25,896.25 1076.63,896.25 1087.76,907.38 1087.76,923.12 1065.92,944.96 1065.92,951.22 1068.05,953.35 v1(1065.71,953.35)
MOTOR_OUT_A: D9.2 P6.1 U2.3 | length 448.1
  Top Layer w8: U2.3@3074.2,922.09 3074.2,910.76 3078.97,906 3078.97,905.08 3087.9,896.15 3127.73,896.15 3200.1,968.52 3200.1,1155.4 3165.03,1190.47 D9.2@3164.51,1190.47 ; v1(3113.94,1196.39) 3146.89,1196.39 D9.2@3150,1199.5
MOTOR_OUT_B: D8.2 P13.1 U2.10 | length 240
  Top Layer w8: D8.2@2970,1199.5 2971.31,1198.19 D8.2@2976,1198.19 ; v1(3006.81,1198.19) D8.2@2976,1198.19 ; U2.10@3074.2,1036.26 3074.2,1061.22 2976,1159.42 D8.2@2976,1198.19
NetANT1_1: ANT1.1 R4.2 | length 48.9
  Top Layer w6: R4.2@2643.24,501.58 R4.2@2645.75,501.58 ; ANT1.1@2685.66,486.69 ANT1.1@2690,485
  Top Layer w9.7: R4.2@2642.25,503.63 ANT1.1@2681,488
NetC3_2: C3.2 U3.9 U5.104 | length 176.7
  Top Layer w6: U5.104@1216.24,890.61 1217.44,891.81 1321.3,891.81 1331.52,902.03 ; C3.2@1335.27,905.89 C3.2@1335.27,913.59 ; C3.2@1350.41,917.79 1350.64,918.02 1350.64,941.6 U3.9@1368.36,959.32
NetC4_2: C4.2 U3.10 U5.103 | length 224.3
  Top Layer w6: U5.103@1216.24,870.93 1286.42,870.93 1288.32,872.83 C4.2@1288.32,873.01 ; C4.2@1297.59,866.96 1342.57,866.96 1376.78,901.17 1376.78,931.54 U3.10@1396.26,951.02
NetC5_2: C5.2 U3.8 U5.105 | length 172.7
  Top Layer w6: U5.105@1216.24,910.3 1256.08,910.3 1265.97,920.19 1265.97,935.27 C5.2@1297.91,967.21 ; C5.2@1300.19,969.5 C5.2@1297.91,967.21 ; U3.8@1349.99,975.08 1344.55,969.64 1302.62,969.64 1300.19,967.21 C5.2@1297.91,967.21
NetC6_2: C6.2 U3.1 | length 87.8
  Top Layer w6: U3.1@1476.97,1026.24 1470.96,1020.23 1470.96,1019.76 1476.97,1013.75 1476.97,964.06 C6.2@1491.6,949.44
NetC7_2: C7.2 L1.1 U4.33 | length 108.9
  Top Layer w6: C7.2@2377.01,576.37 C7.2@2377.7,577.06 ; L1.1@2412.79,578.68 L1.1@2414.65,576.83
  Top Layer w8.2: U4.33@2309.54,576.37 C7.2@2377.01,576.37
  Top Layer w9.7: C7.2@2374.94,578.68 L1.1@2412.79,578.68